# Altium PCB senocore_pcb_long.PcbDoc (part 2 of 2)
Units mm, origin at the board's own origin, x right, y up, seen from the top; angles counter-clockwise.
Board outline 68.21 x 46.01 mm, 4 copper layers (Top Layer, gnd, sig, Bottom Layer), stack 0.778 mm thick; 91 components, 74 nets, 361 pads, 139 vias.
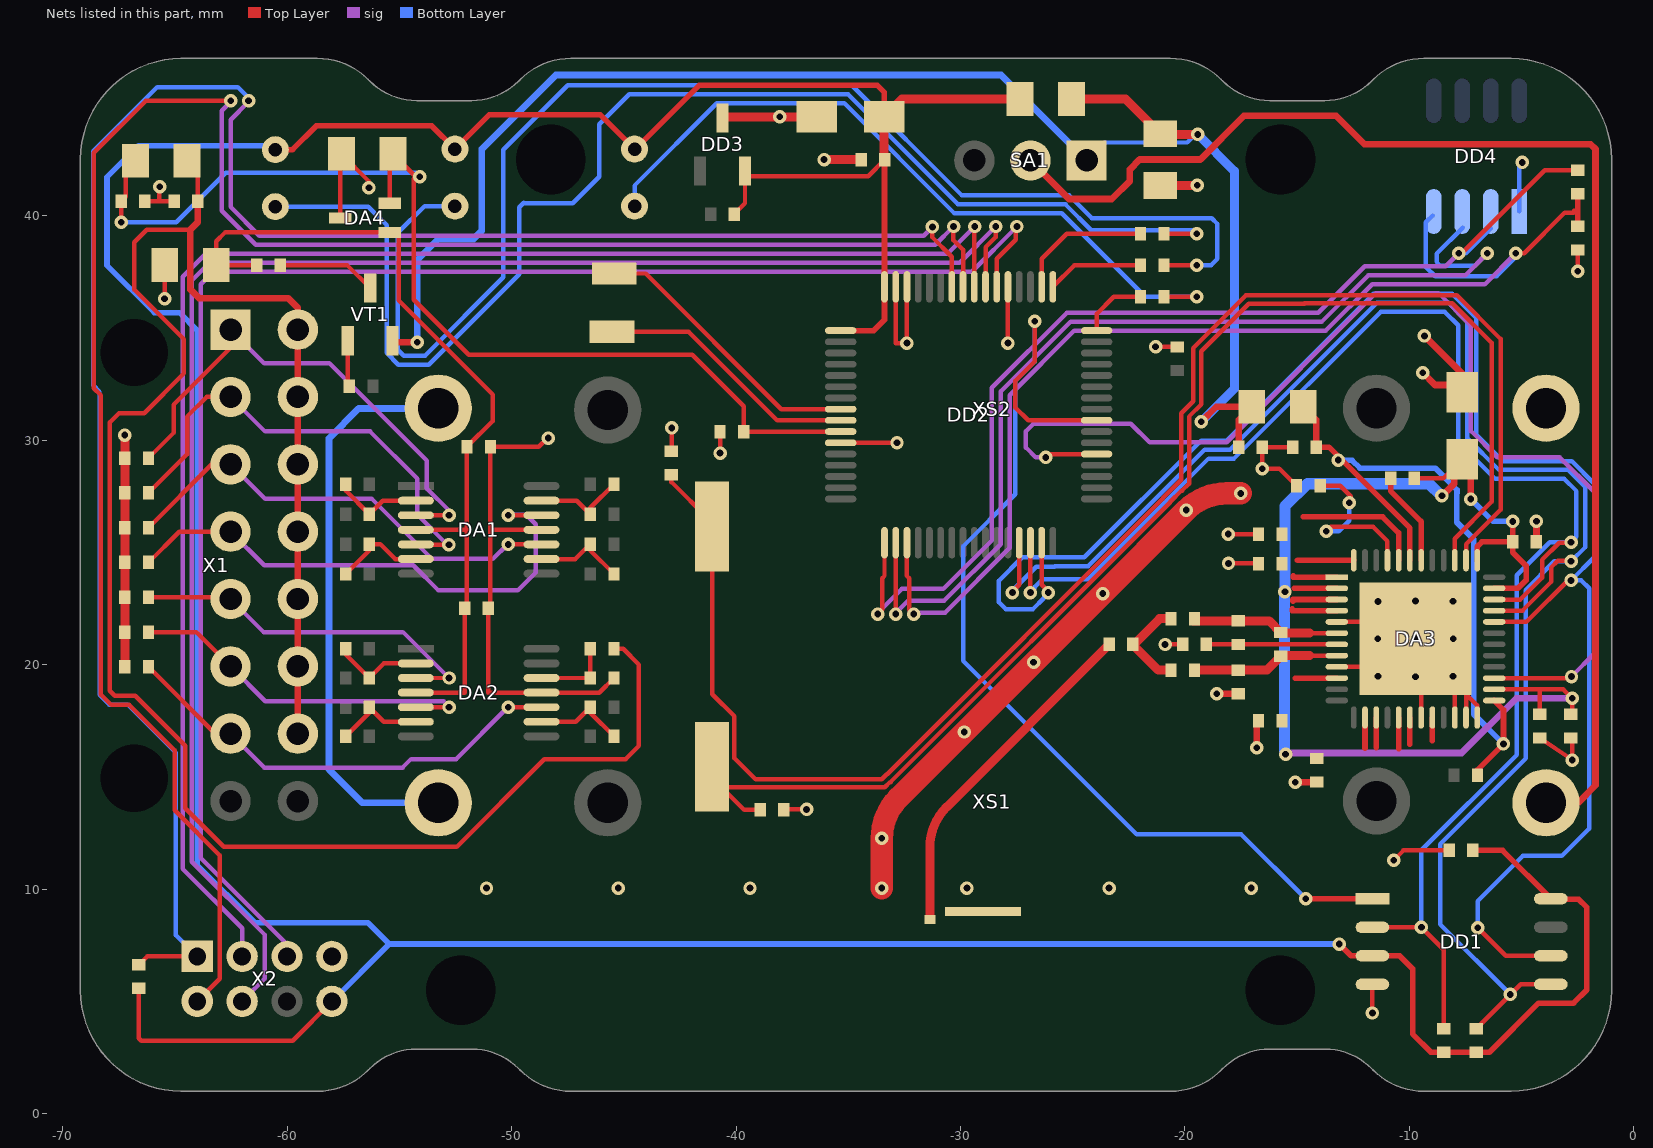
[diagram p4: the nets of this part, all layers, seen from the top]

## Via types
v1: diameter 0.6, hole 0.3, Top Layer to Bottom Layer, tented both sides, 139 vias

## Nets (pads, with @x,y where several pads share a name; then routed paths per layer and width w, separated by ;. In a path a pad name is that pad's centre, name@x,y a point inside that pad or via, vN(x,y) a via of type N, cw(c..) or ccw(c..) an arc to the next point about the centre after c; other vN are vias at no path point) (continued)
GND: ANT1.2 C1.2 C2.2 C3.2 C4.2 C6.2 C8.2 C9.2 C10.2 C11.2 C12.2 C13.2 C14.2 C15.2 C16.2 C17.2 C18.2 C19.2 C20.2 C21.2 C22.1 C23.2 C24.2 C25.2 C26.2 C27.2 C28.2 DA1.11 DA2.11 DA3.5 DA3.9 DA3.19 DA3.22 DA3.23 DA3.24 DA3.49 DA4.3 DD1.4 DD2.11 DD2.53 DD2.62 DD2.63 DD3.3 DD4.1 R5.2 R6.2 R11.2 R12.2 R13.2 R14.2 R15.2 R23.2 R24.1 R26.2 X2.7 XS2.2 | length 134.2
  Top Layer w0.2: C3.2@-66.335,40.645 -65.684,40.645 ; v1@-65.684,41.296 -65.684,40.645 ; v1(-65.457,36.304) -65.448,36.313 C21.2@-65.448,37.8 ; C4.2@-64.98,40.627 -64.998,40.645 C4.2@-65.025,40.645 -65.684,40.645 ; DA4.3@-57.631,39.9 -57.631,42.698 C23.2@-57.579,42.75 -56.352,41.524 v1(-56.352,41.241) ; DA1.11@-48.663,26.004 -50.91,26.004 -50.938,26.032 ; v1@-48.37,30.12 -48.787,29.704 C1.2@-50.938,29.704 -50.938,26.032 ; R23.2@-45.438,19.404 -46.088,18.754 DA2.11@-48.663,18.754 -51.038,18.754 C2.2@-51.038,22.504 -50.938,22.604 -50.938,26.032 ; C19.2@-42.856,29.587 v1(-42.856,30.544) ; v1(-40.708,29.422) C25.2@-40.708,30.378 ; C20.2@-37.815,13.549 v1(-36.858,13.549) ; DD2.11@-35.335,29.88 v1(-32.828,29.88) ; DD2.63@-32.885,36.83 -32.885,34.323 v1(-32.385,34.323) DD2.62@-32.385,36.83 ; v1(-27.885,34.323) DD2.53@-27.885,36.83 ; v1(-21.31,34.154) R26.2@-20.353,34.154 ; v1(-20.888,20.897) -20.884,20.9 C11.2@-20.1,20.9 ; v1(-18.066,25.813) C16.2@-16.737,25.813 ; v1(-18.061,24.507) -16.732,24.507 C6.2@-16.725,24.5 ; C18.2@-15.202,29.686 C17.2@-16.552,29.686 v1(-16.552,28.729) -15.792,28.729 R24.1@-15.028,27.965 ; DA3.9@-13.235,19.9 -10.98,19.9 v1(-9.73,21.15) ; DA3.5@-13.235,21.9 -10.48,21.9 v1(-9.73,21.15) ; v1(-11.65,4.48) DD1.4@-11.65,5.76 ; v1(-10.7,11.291) -10.268,11.723 C22.1@-8.23,11.723 ; DA3.19@-9.48,17.645 DA3.49@-9.48,20.9 ; DA3.22@-7.98,17.645 DA3.49@-7.98,19.4 ; DA3.23@-7.48,17.645 DA3.49@-7.48,18.679 ; DA3.24@-6.98,17.645 -6.98,18.179 DA3.49@-7.48,18.679 ; C12.2@-4.197,16.734 v1@-2.75,15.759 ; C13.2@-2.831,16.769 -2.75,16.688 v1@-2.75,15.759 ; v1(-2.75,15.75) v1(-2.75,15.75) ; v1@-2.74,15.752 -2.746,15.756 v1@-2.75,15.759 ; v1(-2.5,37.518) C24.2@-2.5,38.475 ; v1(-9.73,21.15) DA3.49@-9.48,20.9 ; DA3.49@-9.48,20.9 DA3.49@-7.98,19.4 ; DA3.49@-7.98,19.4 -7.48,18.9 DA3.49@-7.48,18.679
  Top Layer w0.3: v1(-18.579,18.7) C9.2@-17.625,18.7 ; v1(-16.8,16.3) -16.8,17.425 C8.2@-16.725,17.5 ; v1(-15.087,14.756) -14.133,14.756 C15.2@-14.122,14.766 ; v1(-9.406,33.007) -8.858,32.459 -7.138,32.459 -9.322,34.642 v1(-9.333,34.642) ; v1@-4.356,26.297 v1@-4.343,26.309 ; C10.2@-4.352,25.466 -4.343,25.474 v1@-4.343,26.309 ; v1(-4.343,26.391) v1@-4.343,26.309
  Top Layer w0.4: R5.2@-67.225,19.9 R6.2@-67.225,21.45 R11.2@-67.225,23 R12.2@-67.225,24.55 R13.2@-67.225,26.1 R14.2@-67.225,27.65 R15.2@-67.225,29.2 v1(-67.225,30.224) ; DD3.3@-40.6,44.346 -40.546,44.4 v1(-38.052,44.4) C26.2@-36.4,44.4 ; v1(-36.077,42.5) C28.2@-34.425,42.5 ; C27.2@-21.1,41.352 v1(-19.448,41.352)
  Top Layer w0.5: XS2.2@-4.094,31.6 XS2.2@-3.917,31.423 XS2.2@-3.917,32.176
  Top Layer w1: v1(-33.507,10.047) v1(-33.507,12.267) cw(c-30.967,12.267) -32.763,14.063 v1(-29.827,16.999) v1(-23.66,23.167) v1(-19.943,26.883) cw(c-18.147,25.087) -18.147,27.627 v1(-17.519,27.627)
  Bottom Layer w0.2: DD4.1@-5.11,40.187 -5.11,42.239 v1(-4.977,42.372)
  other v1: -51.115,10.047 -45.246,10.047 -39.376,10.047 -29.711,10.047 -23.381,10.047 -17.052,10.047 -9.73,19.465 -11.397,19.476 -8.057,19.484 -26.743,20.11 -11.415,21.15 -8.045,21.15 -11.404,22.816 -9.73,22.835 -8.064,22.823 -48.368,30.09 -65.67,41.29
LED_BLUE: DD2.50 R37.2 | length 6.1
  Top Layer w0.2: DD2.50@-26.385,36.83 -26.385,38.077 -25.271,39.191 R37.2@-21.979,39.191
LED_GREEN: DD2.49 R36.2 | length 4.3
  Top Layer w0.2: DD2.49@-25.885,36.83 -24.924,37.791 R36.2@-21.979,37.791
LED_RED: DD2.48 R35.2 | length 3
  Top Layer w0.2: DD2.48@-23.935,34.88 -23.935,35.622 -23.167,36.39 R35.2@-21.979,36.39
NetANT1_1: ANT1.1 C5.1 | length 15.5
  Top Layer w0.4: ANT1.1@-31.362,8.644 -31.362,11.861 cw(c-28.822,11.861) -30.618,13.657 C5.1@-23.375,20.9
NetC5_2: C5.2 C7.1 L2.1 | length 4.4
  Top Layer w0.4: C5.2@-22.343,20.907 C5.2@-22.308,20.872 ; C5.2@-22.313,20.867 C5.2@-22.308,20.872 ; L2.1@-20.625,19.75 -21.187,19.75 C5.2@-22.308,20.872 ; C7.1@-20.625,22.05 -21.13,22.05 C5.2@-22.308,20.872
NetC7_2: C7.2 DA3.6 L3.2 L4.2 | length 6.6
  Top Layer w0.2: -14.453,21.4 DA3.6@-13.235,21.4
  Top Layer w0.4: C7.2@-19.627,21.952 -19.625,21.95 L3.2@-17.625,21.95 -16.25,21.95 L4.2@-15.725,21.425 -15.7,21.4 -14.453,21.4
NetC9_1: C9.1 DA3.8 L2.2 L4.1 | length 6.6
  Top Layer w0.2: -14.453,20.4 DA3.8@-13.235,20.4
  Top Layer w0.4: L2.2@-19.592,19.736 -19.578,19.75 C9.1@-17.625,19.75 -16.35,19.75 L4.1@-15.725,20.375 ; L4.1@-15.7,20.4 -14.453,20.4
NetC11_1: C11.1 DA3.7 L3.1 | length 5.8
  Top Layer w0.2: C11.1@-19.05,20.9 L3.1@-17.625,20.9 DA3.7@-13.235,20.9
NetC19_1: C19.1 DA3.38 ZQ1.2 | length 71
  Top Layer w0.2: C19.1@-42.876,28.456 -42.876,28.134 ZQ1.2@-41.216,26.474 ; ZQ1.2@-41.054,25.903 -41.054,18.682 -40.069,17.697 -40.069,15.833 -39.128,14.891 -33.513,14.891 -33.284,15.12 -33.262,15.12 -20.999,27.382 -20.999,27.405 -20.169,28.235 -20.169,31.197 -19.63,31.736 -19.63,34.102 -17.282,36.45 -7.885,36.45 -5.942,34.506 -5.942,26.898 -7.48,25.36 DA3.38@-7.48,24.65
NetC20_1: C20.1 DA3.39 ZQ1.1 | length 60.4
  Top Layer w0.2: ZQ1.1@-41.316,14.691 -41.167,14.541 ZQ1.1@-40.644,14.541 ; C20.1@-38.924,13.537 -39.64,13.537 ZQ1.1@-40.644,14.541 ; -14.697,36.096 -14.693,36.092 -8.093,36.092 -6.342,34.341 -6.342,27.252 -7.98,25.613 DA3.39@-7.98,24.65 ; -14.675,36.074 -17.163,36.074 -19.28,33.957 -19.28,31.591 -19.819,31.052 -19.819,28.063 -20.129,27.753 -20.156,27.753 -20.649,27.26 -20.649,27.237 -33.117,14.77 -33.139,14.77 -33.368,14.541 ZQ1.1@-40.644,14.541
NetDA1_2: DA1.2 R1.1 R7.2 | length 4.1
  Top Layer w0.2: R7.2@-57.388,28.037 -57.388,27.754 R1.1@-56.338,26.704 -55.738,27.304 DA1.2@-54.263,27.304
NetDA1_6: DA1.6 R2.1 R8.2 | length 4.1
  Top Layer w0.2: R8.2@-57.388,24.037 -56.338,25.087 R2.1@-56.338,25.371 -55.847,25.371 -55.18,24.704 DA1.6@-54.263,24.704
NetDA1_9: DA1.9 R17.1 R20.2 | length 4.2
  Top Layer w0.2: DA1.9@-48.663,24.704 -47.155,24.704 R20.2@-46.488,25.371 -46.488,25.087 R17.1@-45.438,24.037
NetDA1_13: DA1.13 R16.1 R19.2 | length 4.2
  Top Layer w0.2: DA1.13@-48.663,27.304 -47.088,27.304 R19.2@-46.488,26.704 -46.488,26.987 R16.1@-45.438,28.037
NetDA2_2: DA2.2 R3.1 R9.2 | length 4.1
  Top Layer w0.2: R9.2@-57.388,20.704 -57.388,20.454 R3.1@-56.338,19.404 -55.688,20.054 DA2.2@-54.263,20.054
NetDA2_6: DA2.6 R4.1 R10.2 | length 4.1
  Top Layer w0.2: R10.2@-57.388,16.804 -56.338,17.854 R4.1@-56.338,18.104 -55.688,17.454 DA2.6@-54.263,17.454
NetDA2_9: DA2.9 R18.1 R21.2 | length 4.2
  Top Layer w0.2: DA2.9@-48.663,17.454 -47.138,17.454 R21.2@-46.488,18.104 -46.488,17.854 R18.1@-45.438,16.804
NetDA2_12: DA2.12 R22.2 R23.1 | length 3.5
  Top Layer w0.2: DA2.12@-48.663,19.404 R23.1@-46.488,19.404 R22.2@-46.488,20.704
NetDA3_42: DA3.42 R25.2 | length 4.2
  Top Layer w0.25: R25.2@-10.837,28.296 -10.837,27.734 -9.48,26.376 DA3.42@-9.48,24.65
NetDA3_45: DA3.45 R24.2 | length 7.9
  Top Layer w0.2: R24.2@-13.978,27.965 -13.079,27.965 -12.621,27.507 -12.621,27.156 v1(-12.678,27.213) ; v1(-13.707,25.936) -13.501,26.142 -11.621,26.142 -10.98,25.501 DA3.45@-10.98,24.65
  Bottom Layer w0.2: v1(-13.707,25.936) -13.155,25.936 -12.678,26.413 v1(-12.678,27.213)
NetDD2_8: DD2.8 ZQ2.1 | length 12.6
  Top Layer w0.2: ZQ2.1@-45.425,37.423 -44.027,37.423 -37.984,31.38 DD2.8@-35.335,31.38
NetDD2_9: DD2.9 ZQ2.2 | length 11.8
  Top Layer w0.2: ZQ2.2@-45.525,34.823 -42.113,34.823 -38.17,30.88 DD2.9@-35.335,30.88
NetDD2_54: DD2.54 X2.5 | length 72
  Top Layer w0.2: DD2.54@-28.385,36.83 -28.385,38.079 -27.537,38.927 v1@-27.537,39.551
  sig w0.2: X2.5@-60,7 -60,7.541 -63.848,11.388 -63.848,36.945 -63.286,37.507 -29.494,37.507 v1(-27.485,39.516)
NetDD2_55: DD2.55 X2.4 | length 73.6
  Top Layer w0.2: DD2.55@-28.885,36.83 -28.885,38.594 -28.438,39.041 v1@-28.438,39.517
  sig w0.2: X2.4@-62,5 -61,6 -61,7.975 -64.248,11.223 -64.248,37.111 -63.452,37.907 -30.036,37.907 v1(-28.426,39.516)
NetDD2_56: DD2.56 X2.3 | length 70.3
  Top Layer w0.2: DD2.56@-29.385,36.83 -29.385,39.486 v1@-29.374,39.497
  sig w0.2: X2.3@-62,7 -62,8.25 -64.648,10.898 -64.648,37.277 -63.618,38.307 -30.577,38.307 v1(-29.368,39.516)
NetDD2_57: DD2.57 X2.2 | length 89.6
  Top Layer w0.2: X2.2@-64,5 -63,6 -63,11.5 -65.007,13.507 -65.007,16.176 -67.039,18.207 -67.842,18.207 -68.3,18.666 -68.3,32.01 -68.607,32.317 -68.607,42.799 -66.283,45.123 v1(-62.513,45.123) ; v1@-30.315,39.517 -30.315,38.908 -29.885,38.478 DD2.57@-29.885,36.83
  sig w0.2: v1(-62.513,45.123) -62.513,45.074 -62.913,44.674 -62.913,40.222 -61.398,38.707 -31.119,38.707 v1(-30.309,39.516)
NetDD2_58: DD2.58 R29.1 X2.1 | length 89.5
  Top Layer w0.2: R29.1@-66.599,6.63 -66.229,7 X2.1@-64,7 ; v1@-31.266,39.512 -31.266,39.046 -30.385,38.166 DD2.58@-30.385,36.83
  sig w0.2: v1(-61.713,45.123) -61.713,45.074 -62.513,44.274 -62.513,40.387 -61.232,39.107 -31.641,39.107 v1(-31.251,39.497)
  Bottom Layer w0.2: X2.1@-64,7 -64.95,7.95 -64.95,16.07 -67.103,18.223 -67.929,18.223 -68.354,18.648 -68.354,32.164 -68.629,32.44 -68.629,42.877 -65.776,45.73 -62.197,45.73 -61.713,45.246 v1(-61.713,45.123)
NetHL1_2: HL1.2 R35.1 | length 32.5
  Top Layer w0.2: R35.1@-20.929,36.39 v1(-19.479,36.39)
  Bottom Layer w0.2: HL1.2@-44.519,40.425 -44.519,41.339 -40.859,45 -35.169,45 -30.285,40.116 -30.061,40.116 -30.045,40.1 -29.633,40.1 -29.616,40.116 -29.119,40.116 -29.103,40.1 -28.691,40.1 -28.675,40.116 -28.178,40.116 -28.162,40.1 -27.75,40.1 -27.734,40.116 -27.237,40.116 -27.22,40.1 -25.485,40.1 -21.775,36.39 v1(-19.479,36.39)
NetHL2_2: HL2.2 R36.1 | length 59.8
  Top Layer w0.2: R36.1@-20.929,37.791 v1(-19.479,37.791)
  Bottom Layer w0.2: HL2.2@-52.519,40.425 -53.875,40.425 -55.067,39.233 -55.067,34.027 -54.803,33.763 -53.852,33.763 -50.366,37.249 -50.366,42.933 -47.493,45.806 -34.844,45.806 -29.954,40.916 -26.905,40.916 -26.889,40.9 -25.154,40.9 -24.142,39.889 -18.81,39.889 -18.552,39.631 -18.552,38.077 -18.838,37.791 v1(-19.479,37.791)
NetHL3_2: HL3.2 R37.1 | length 59.4
  Top Layer w0.2: R37.1@-20.929,39.191 v1(-19.479,39.191) v1@-19.469,39.201
  Bottom Layer w0.2: HL3.2@-60.519,40.401 -56.382,40.401 -55.563,39.583 -55.563,33.886 -55.04,33.363 -53.687,33.363 -49.659,37.391 -49.659,40.369 -49.457,40.571 ; -49.415,40.555 -47.269,40.555 -46.089,41.734 -46.089,44.071 -44.753,45.406 -35.01,45.406 -30.12,40.516 -29.895,40.516 -29.879,40.5 -29.798,40.5 -29.782,40.516 -28.954,40.516 -28.937,40.5 -28.857,40.5 -28.841,40.516 -28.012,40.516 -27.996,40.5 -27.916,40.5 -27.899,40.516 -27.071,40.516 -27.055,40.5 -25.319,40.5 -24.168,39.349 -19.638,39.349 v1(-19.479,39.191)
NetR28_2: R28.2 VT1.1 | length 2.1
  Top Layer w0.2: VT1.1@-57.301,34.425 -57.301,32.476 R28.2@-57.225,32.4
NetR30_1: R30.1 VT1.3 | length 4.4
  Top Layer w0.2: R30.1@-60.3,37.8 -57.325,37.8 VT1.3@-56.3,36.775
NetSA1_2: SA1.2 XS1.1 | length 59.2
  Top Layer w0.3: SA1.2@-26.885,42.458 -25.169,40.743 -23.262,40.743 -22.457,41.548 -22.457,42.061 -22.018,42.5 -19.317,42.5 -17.367,44.45 -13.27,44.45 -12,43.18 -1.932,43.18 -1.717,42.965 -1.717,14.625 -2.5,13.842 XS1.1@-3.917,13.842
NetXS1_2: XS1.2 XS2.1 | length 25.5
  Bottom Layer w0.3: XS2.1@-53.422,31.406 -56.809,31.406 -58.134,30.081 -58.134,15.333 -56.642,13.842 XS1.2@-53.267,13.842
RADIO-AVDD: C6.1 C8.1 C10.1 C12.1 C13.1 C14.1 C15.1 C16.1 DA3.1 DA3.2 DA3.3 DA3.4 DA3.10 DA3.14 DA3.15 DA3.17 DA3.18 DA3.20 DA3.26 DA3.35 DA3.37 DA3.44 DA3.48 R25.1 | length 77.1
  Top Layer w0.2: R25.1@-9.787,28.296 -8.485,28.296 -8.001,28.779 C14.1@-7.641,29.14 C14.1@-7.275,28.774 ; v1@-7.275,27.381 v1(-7.268,27.374) ; DA3.26@-6.225,18.9 -3.158,18.9 -3.137,18.88 ; C12.1@-4.197,17.784 -4.197,18.829 -4.192,18.834 ; -3.137,18.887 v1(-2.75,18.5) C13.1@-2.75,17.75
  Top Layer w0.25: -15.225,22.479 -15.225,22.4 DA3.4@-13.235,22.4 ; -15.189,22.835 -15.189,22.9 DA3.3@-13.235,22.9 ; -15.171,23.946 -15.171,23.9 DA3.1@-13.235,23.9 ; -15.138,23.4 DA3.2@-13.235,23.4 ; -15.088,19.4 DA3.10@-13.235,19.4 ; -14.986,24.65 DA3.48@-12.48,24.65 ; -14.732,26.582 -11.194,26.582 -10.48,25.868 DA3.44@-10.48,24.65 ; -11.98,16.281 DA3.14@-11.98,17.645 ; -11.48,16.307 DA3.15@-11.48,17.645 ; -10.48,16.256 DA3.17@-10.48,17.645 ; -9.98,16.459 DA3.18@-9.98,17.645 ; -8.98,16.6 DA3.20@-8.98,17.645 ; DA3.37@-6.98,24.65 -6.98,25.259 -6.773,25.466 C10.1@-5.402,25.466 ; DA3.35@-6.225,23.4 -5.164,23.4 -4.798,23.766 -4.798,24.401 -5.402,25.004 C10.1@-5.402,25.466 ; v1(-5.403,26.379) v1(-5.403,26.379) C10.1@-5.402,25.466
  Top Layer w0.3: v1(-8.554,27.518) -8.001,28.071 C14.1@-8.001,28.779 ; v1@-7.275,27.381 C14.1@-7.275,28.774
  sig w0.3: v1@-15.547,16.063 -7.673,16.063 -5.236,18.5 v1(-2.75,18.5)
  Bottom Layer w0.25: v1(-7.268,27.374) -6.274,26.379 v1(-5.403,26.379)
  Bottom Layer w0.5: v1@-15.57,16.179 -15.57,23.218 v1(-15.548,23.24) -15.548,27.058 -14.547,28.058 -9.128,28.058 v1@-8.578,27.508
  other v1: -15.519,16.002
RADIO-VDD: C18.1 DA3.25 DA3.43 L5.2 R27.2 | length 31.2
  Top Layer w0.25: C18.1@-14.152,29.686 -13.586,29.686 -9.98,26.08 DA3.43@-9.98,24.65 ; R27.2@-6.968,15.074 -6.968,15.31 v1(-5.812,16.466) -5.812,17.987 DA3.25@-6.225,18.4
  Top Layer w0.3: L5.2@-14.73,31.486 -14.152,30.909 C18.1@-14.152,29.686
  Bottom Layer w0.25: v1@-13.209,29.1 -12.555,29.1 -12.206,28.75 -8.85,28.75 -7.883,27.784 -7.883,27.643 -7.893,27.633 -7.893,26.344 -7.136,25.587 -7.136,17.79 v1(-5.812,16.466)
  other v1: -13.172,29.11
S#: DD1.1 DD2.40 | length 47.2
  Top Layer w0.2: v1(-26.691,35.292) -26.691,33.503 -27.559,32.635 -27.559,31.451 -26.988,30.88 DD2.40@-23.935,30.88
  Top Layer w0.25: v1@-14.637,9.558 v1(-14.625,9.57) DD1.1@-11.65,9.57
  Bottom Layer w0.2: v1(-26.691,35.292) -26.692,35.291 -26.692,33.502 -27.559,32.635 -27.559,27.59 -29.885,25.264 -29.885,20.169 -22.153,12.436 -17.491,12.436 v1(-14.625,9.57)
SCLK: DA3.32 DD1.6 DD2.31 | length 76.1
  Top Layer w0.2: DD2.31@-26.385,25.43 -26.385,23.558 -26.085,23.258 v1(-26.085,23.21) ; v1(-6.96,8.28) -5.71,7.03 DD1.6@-3.7,7.03 ; DA3.32@-6.225,21.9 -4.794,21.9 -2.863,23.83 v1@-2.819,23.83
  Bottom Layer w0.2: v1@-26.111,23.152 -26.285,22.978 -26.285,22.961 -26.77,22.476 -27.977,22.476 -28.285,22.784 -28.285,23.738 -27.246,24.778 -24.484,24.778 -19.28,29.981 -18.147,29.981 -11.617,36.512 -8.088,36.512 -7.021,35.445 -7.021,30.248 -5.844,29.07 -2.769,29.07 -1.761,28.063 -1.761,24.789 v1(-2.8,23.75) -2.341,23.75 -1.996,23.404 -1.996,12.698 -3.216,11.478 -4.95,11.478 -6.96,9.468 v1(-6.96,8.28)
SFD: DA3.27 DD2.37 | length 51.2
  Top Layer w0.2: v1(-26.199,29.23) -26.049,29.38 DD2.37@-23.935,29.38 ; DA3.27@-6.225,19.4 -2.993,19.4 v1@-2.862,19.531
  sig w0.2: v1(-26.199,29.23) -26.645,29.23 -27.085,29.67 -27.085,30.402 -26.751,30.736 -22.41,30.736 -21.577,29.903 -18.144,29.903 -11.496,36.55 -8.71,36.55 -7.259,35.1 -7.259,30.406 -6.083,29.23 -3.301,29.23 -1.746,27.675 -1.746,20.504 v1(-2.781,19.468)
SH_DTA: DD2.17 DD4.2 R34.2 | length 48.5
  Top Layer w0.2: v1(-33.685,22.252) -33.485,22.452 -33.485,23.848 -33.385,23.948 DD2.17@-33.385,25.43 ; v1@-7.721,38.372 -7.624,38.372 -3.971,42.025 R34.2@-2.5,42.025
  sig w0.2: v1(-33.685,22.252) -33.685,22.301 -32.616,23.37 -30.766,23.37 -28.604,25.532 -28.604,32.336 -25.259,35.681 -14.063,35.681 -11.994,37.75 -8.377,37.75 v1(-7.8,38.327)
  Bottom Layer w0.2: v1(-7.8,38.327) -7.485,38.327 DD4.2@-6.371,39.44
SH_SCL: DD2.18 DD4.3 | length 44.8
  Top Layer w0.2: v1(-32.885,22.252) DD2.18@-32.885,25.43
  sig w0.2: v1(-32.885,22.252) -32.885,22.301 -32.334,22.852 -30.718,22.852 -28.204,25.366 -28.204,32.17 -25.093,35.281 -13.897,35.281 -11.828,37.35 -7.507,37.35 v1(-6.53,38.327)
  Bottom Layer w0.2: DD4.3@-7.632,39.467 -8.794,38.305 -8.794,37.939 -8.615,37.76 -7.095,37.76 v1(-6.53,38.327) v1(-6.53,38.327)
SH_VDD: C24.1 DD2.19 DD4.4 R34.1 | length 52.9
  Top Layer w0.2: DD2.19@-32.385,25.43 -32.385,23.948 -32.285,23.848 -32.285,22.452 v1(-32.085,22.252) ; v1(-5.26,38.327) -4.893,38.327 -3.082,40.138 -2.671,40.138
  Top Layer w0.25: -2.652,40.187 ccw(c-2.652,40.402) -2.5,40.25 ; C24.1@-2.5,39.525 -2.5,40.25 ; R34.1@-2.5,40.975 -2.5,40.25
  sig w0.2: v1(-32.085,22.252) -32.017,22.321 -30.684,22.321 -27.804,25.201 -27.804,32.004 -24.927,34.881 -13.731,34.881 -11.662,36.95 -6.637,36.95 v1(-5.26,38.327)
  Bottom Layer w0.2: DD4.4@-8.964,40.004 -9.268,39.7 -9.268,37.715 -8.847,37.295 -6.121,37.295 -5.26,38.156 v1(-5.26,38.327)
SI: DA3.33 DD1.5 DD2.29 R33.2 | length 75.5
  Top Layer w0.2: v1(-27.685,23.21) -27.685,23.258 -27.385,23.558 DD2.29@-27.385,25.43 ; R33.2@-7.028,3.78 -5.048,5.76 DD1.5@-3.7,5.76 ; DA3.33@-6.225,22.4 -6.215,22.41 -4.964,22.41 -3.693,23.681 -3.693,24.326 -3.392,24.626 v1@-2.819,24.626
  Bottom Layer w0.2: v1@-27.713,23.268 -26.623,24.358 -25.809,24.358 -25.79,24.378 -24.318,24.378 -19.114,29.581 -17.982,29.581 -11.451,36.112 -8.254,36.112 -7.421,35.279 -7.421,30.082 -6.009,28.67 -2.935,28.67 -2.161,27.897 -2.161,25.239 v1(-2.8,24.6) -3.545,24.6 -4.823,23.322 -4.823,16.915 -4.812,16.903 -4.812,15.822 -8.637,11.997 -8.637,8.436 v1(-5.512,5.31)
SO: DA3.34 DD1.2 DD2.30 R31.2 | length 73
  Top Layer w0.2: v1(-26.885,23.21) DD2.30@-26.885,25.43 ; DD1.2@-11.65,8.3 v1(-9.468,8.3) -8.472,7.304 R31.2@-8.472,3.78 ; DA3.34@-6.225,22.9 -5.063,22.9 -4.093,23.87 -4.093,24.669 -3.329,25.433 v1@-2.872,25.433
  Bottom Layer w0.2: v1@-26.931,23.171 -26.685,23.418 -26.685,23.458 -26.334,23.81 -24.32,23.81 -18.948,29.181 -17.816,29.181 -11.286,35.712 -8.422,35.712 -7.821,35.112 -7.821,29.917 -6.175,28.27 -3.1,28.27 -2.561,27.731 -2.561,25.689 v1(-2.8,25.45) -3.75,25.45 -5.223,23.976 -5.223,16.738 -5.212,16.726 -5.212,15.988 -9.468,11.732 v1(-9.468,8.3)
SW-VCC: C1.1 C2.1 C21.1 DA1.4 DA2.4 DA4.1 R30.2 | length 38.2
  Top Layer w0.2: R30.2@-61.35,37.8 C21.1@-63.152,37.8 -63.152,38.859 -62.761,39.25 DA4.1@-55.431,39.25 -55.181,39.25 -55.031,39.1 -55.031,36.23 -50.825,32.024 ; DA2.4@-54.263,18.754 -52.088,18.754 C2.1@-52.088,22.504 -51.988,22.604 -51.988,26.004 ; DA1.4@-54.263,26.004 -51.988,26.004 ; -50.844,31.976 -50.844,30.847 C1.1@-51.988,29.704 -51.988,26.004
TEMP-1: DA1.3 R15.1 X1.1 | length 22.8
  Top Layer w0.2: R15.1@-66.175,29.2 -65.057,30.318 -65.057,31.571 -62.517,34.111 X1.1@-62.517,34.923 ; DA1.3@-54.263,26.654 v1(-52.78,26.654)
  sig w0.2: X1.1@-62.517,34.923 -61.025,33.431 -58.11,33.431 -53.767,29.088 -53.767,27.84 -52.788,26.862 v1@-52.788,26.59
TEMP-2: DA1.5 R14.1 X1.2 | length 21.2
  Top Layer w0.2: R14.1@-66.175,27.65 -64.453,29.372 -64.453,31.051 -63.58,31.923 X1.2@-62.517,31.923 ; DA1.5@-54.271,25.346 v1(-52.789,25.346)
  sig w0.2: X1.2@-62.517,31.923 -60.981,30.387 -56.303,30.387 -54.192,28.275 -54.192,26.671 v1@-52.893,25.373
TEMP-3: DA1.10 R13.1 X1.3 | length 20.6
  Top Layer w0.2: R13.1@-66.175,26.1 -63.352,28.923 X1.3@-62.517,28.923 ; v1(-50.145,25.354) DA1.10@-48.663,25.354
  sig w0.2: X1.3@-62.517,28.923 -60.972,27.378 -56.217,27.378 -53.544,24.705 -50.838,24.705 v1@-50.197,25.347
TEMP-4: DA1.12 R12.1 X1.4 | length 24.3
  Top Layer w0.2: R12.1@-66.175,24.55 -64.802,25.923 X1.4@-62.517,25.923 ; v1(-50.145,26.654) DA1.12@-48.663,26.654
  sig w0.2: X1.4@-62.517,25.923 -61.017,24.423 -54.372,24.423 -53.253,23.305 -49.726,23.305 -48.927,24.103 -48.927,26.25 -49.346,26.668 v1@-50.184,26.668
TEMP-5: DA2.3 R11.1 X1.5 | length 16.4
  Top Layer w0.2: R11.1@-66.175,23 -62.594,23 X1.5@-62.517,22.923 ; DA2.3@-54.263,19.404 v1(-52.781,19.404)
  sig w0.2: X1.5@-62.517,22.923 -61.045,21.451 -54.835,21.451 v1@-52.74,19.356
TEMP-6: DA2.5 R6.1 X1.6 | length 16.4
  Top Layer w0.2: R6.1@-66.175,21.45 -64.044,21.45 X1.6@-62.517,19.923 ; DA2.5@-54.263,18.104 v1(-52.781,18.104)
  sig w0.2: X1.6@-62.517,19.923 -60.965,18.371 -53.027,18.371 v1@-52.702,18.047
TEMP-7: DA2.10 R5.1 X1.7 | length 20.5
  Top Layer w0.2: R5.1@-66.175,19.9 -63.198,16.923 X1.7@-62.517,16.923 ; v1(-50.146,18.104) DA2.10@-48.663,18.104
  sig w0.2: X1.7@-62.517,16.923 -61.01,15.416 -54.853,15.416 -54.477,15.792 -52.464,15.792 -50.184,18.072 v1@-50.096,18.072
VBAT: C17.1 C27.1 L5.1 L6.1 SA1.1 VT1.2 | length 72.1
  Top Layer w0.3: VT1.2@-55.299,34.425 -55.2,34.326 -55.164,34.363 v1(-54.198,34.363) ; v1(-19.269,30.824) -18.607,31.486 L5.1@-17.025,31.486 -17.602,30.909 C17.1@-17.602,29.686
  Top Layer w0.4: L6.1@-25.052,45.2 -22.653,45.2 C27.1@-21.1,43.648 -21.07,43.618 v1(-19.431,43.618)
  Bottom Layer w0.2: SA1.1@-24.385,42.458 -23.585,43.258 -19.899,43.258 -19.539,43.618 v1(-19.431,43.618)
  Bottom Layer w0.3: v1(-54.198,34.363) -54.198,38.032 -53.286,38.944 -51.708,38.944 -51.322,39.329 -51.322,42.964 -48.026,46.26 -28.187,46.26 SA1.1@-24.385,42.458
  Bottom Layer w0.4: v1(-19.431,43.618) -17.8,41.986 -17.8,32.293 v1(-19.269,30.824)
VDD: C22.2 C26.1 C28.1 DD1.3 DD1.8 DD2.1 DD2.64 DD3.2 HL1.1 HL2.1 HL3.1 L6.2 R29.2 R31.1 R32.2 R33.1 X2.8 | length 192.3
  Top Layer w0.2: R29.2@-66.599,5.58 -66.599,3.349 -66.5,3.25 -59.75,3.25 X2.8@-58,5 ; R32.2@-40.075,40.071 -39.599,40.547 DD3.2@-39.599,41.996 -39.363,41.76 -34.115,41.76 C28.1@-33.385,42.49
  Top Layer w0.25: HL3.1@-60.519,42.941 -59.759,42.941 -58.7,44 -53.554,44 HL2.1@-52.519,42.965 -50.984,44.5 -46.054,44.5 HL1.1@-44.519,42.965 -44.481,42.965 -41.632,45.814 -33.714,45.814 -33.4,45.5 C26.1@-33.4,44.4 ; DD2.1@-35.335,34.88 -33.866,34.88 -33.385,35.361 DD2.64@-33.385,36.83 -33.385,42.49 C28.1@-33.375,42.5 ; v1(-13.127,7.552) -12.605,7.03 DD1.3@-11.65,7.03 -10.44,7.03 -9.86,6.451 -9.86,3.543 -9.047,2.73 R31.1@-8.472,2.73 R33.1@-7.028,2.73 -6.434,2.73 -4.243,4.921 -2.69,4.921 -2.095,5.516 -2.095,9.183 -2.457,9.545 DD1.8@-3.683,9.545 ; C22.2@-7.18,11.723 -5.852,11.723 DD1.8@-3.7,9.57
  Top Layer w0.4: C28.1@-33.375,42.5 -33.4,42.525 C26.1@-33.4,44.4 -32.6,45.2 L6.2@-27.348,45.2
  Bottom Layer w0.25: HL3.1@-60.519,42.941 -60.696,43.118 -66.619,43.118 -68.018,41.719 -68.018,37.787 -65.909,35.679 -64.79,35.679 -64.008,34.896 -64.008,11.071 -61.437,8.5 -56.396,8.5 -55.448,7.552 ; X2.8@-58,5 -55.448,7.552 ; v1(-13.127,7.552) -55.448,7.552
VREF_2.048: C3.1 C23.1 C25.1 DA4.2 DD2.10 L1.1 | length 48.1
  Top Layer w0.2: v1(-67.385,39.709) C3.1@-67.385,40.645 -67.189,40.841 L1.1@-67.189,42.07 ; DA4.2@-55.431,40.55 -55.431,42.603 C23.1@-55.283,42.75 -54.268,41.734 -54.356,41.646 -54.356,36.26 -51.905,33.81 -41.954,33.81 -39.658,31.513 C25.1@-39.658,30.378 C25.1@-39.658,30.378 DD2.10@-35.335,30.38
  Bottom Layer w0.2: v1(-67.385,39.709) -64.936,39.709 -62.733,41.912 -54.266,41.912 v1(-54.089,41.734)
VREF_2.048_FILT: C4.1 L1.2 R22.1 X1.9 X1.10 X1.11 X1.12 X1.13 X1.14 X1.15 | length 90.9
  Top Layer w0.2: -64.309,39.376 -66.248,39.376 -66.807,38.817 -66.807,36.71 -64.599,34.501 -64.599,32.97 -66.366,31.202 -67.486,31.202 -67.9,30.788 -67.9,18.831 -67.676,18.607 -66.756,18.607 -64.535,16.387 -64.535,13.601 -62.816,11.882 -52.638,11.882 ; L1.2@-63.993,42.07 -63.975,42.052 C4.1@-63.975,40.645 ; X1.15@-59.517,16.317 X1.15@-59.517,16.923 ; -52.698,11.879 -52.442,11.879 -48.539,15.783 -44.92,15.783 -44.323,16.38 -44.323,19.997 -45.029,20.704 R22.1@-45.438,20.704
  Top Layer w0.3: C4.1@-63.975,40.645 -63.975,39.71 -64.309,39.376 -64.309,36.708 -63.925,36.323 -59.949,36.323 -59.517,35.891 X1.10@-59.517,31.923 X1.11@-59.517,28.923 X1.12@-59.517,25.923 X1.13@-59.517,22.923 X1.14@-59.517,19.923 X1.15@-59.517,16.923
pads on no net: DA3.11 DA3.12 DA3.13 DA3.16 DA3.36 DA3.40 DA3.46 DA3.47 DD2.6 DD2.7 DD2.13 DD2.14 DD2.20 DD2.21 DD2.22 DD2.25 DD2.26 DD2.27 DD2.28 DD2.32 DD2.33 DD2.34 DD2.35 DD2.36 DD2.39 DD2.44 DD2.45 DD2.46 DD2.47 DD2.51 DD2.52 DD4.NC SA1.3 X1.0 X1.8 X1.16 X2.6 XS1.0 XS2.0

## Polygon pours and split planes (outlines as drawn)
RADIO-AVDD on Top Layer "Top Layer-No Net" (solid, pour order 18): -15.171,17.373 -13.106,17.373 -13.106,15.926 -15.24,15.926
RADIO-AVDD on Top Layer "Top Layer-No Net" (solid, pour order 14): -14.732,16.6 -8.839,16.6 -8.839,15.596 -16.256,15.596 -16.256,16.612
RADIO-AVDD on Top Layer "Top Layer-No Net" (solid, pour order 12): -16.23,19.533 -16.23,16.104 -14.732,16.104 -14.732,19.533
RADIO-AVDD on Top Layer "Top Layer-No Net" (solid, pour order 10): -14.732,26.892 -14.732,22.276 -16.231,22.276 -16.231,26.892
GND on gnd (split plane): 364 vertices, not listed, extent -68.696,1.503 -1.504,46.497

## Other copper
Top Layer:
  rectangle net GND: -51.719,8.883 -33,11.8
  rectangle net GND: -30.683,8.811 -16.015,11.852
  pour cut-out: -15.339,19.609 -16.195,18.752 -16.51,18.752 -16.51,19.609
  pour cut-out: -16.644,23.272 -15.102,21.999 -16.647,22.006 -16.647,23.268
gnd (plane layer: these items are gaps in the copper):
  rectangle: -51.719,1.475 -15.998,8.883

## Silkscreen, mask and mechanical layers (free items; w line width, h text height)
Top Overlay:
  rectangle: -12.997,36.637 -12.497,40.637
  rectangle: -12.997,40.137 -11.997,40.637
  rectangle: -12.997,38.387 -11.997,38.887
  rectangle: -12.997,36.637 -11.997,37.137
  rectangle: -11.747,36.637 -11.247,40.637
  rectangle: -11.747,40.137 -10.747,40.637
  rectangle: -10.747,36.637 -10.247,40.637
  rectangle: -11.247,38.387 -10.747,38.887
  rectangle: -9.997,36.637 -9.497,40.637
  rectangle: -9.997,40.137 -8.997,40.637
  rectangle: -9.997,36.637 -8.997,37.137
  lines w0.25: -30.981,16.882 cw(c-28.799,15.541) -30.968,14.179
  lines w0.3: -32.263,16.826 cw(c-28.818,15.491) -32.25,14.123 ; -13.497,36.137 -13.497,41.137 -8.497,41.137 -8.497,36.137 -13.497,36.137
  text "NEO" at -35.453,16.994 h1.5
  text "CORE" at -35.245,14.571 h3
  text "neocore.ru" at -35.86,8.957 h3
  text "PN: 1202-1906-2019" at -40.343,1.606 h1.5
Mechanical 1:
  lines w0.25: -69.079,5.5 ccw(c-64.7,5.5) -64.7,1.121 ; -69.079,42.5 cw(c-64.7,42.5) -64.7,46.879 ; -5.5,1.121 ccw(c-5.5,5.5) -1.121,5.5 ; -5.5,46.879 cw(c-5.5,42.5) -1.121,42.5
  lines w0.254: -69.079,5.5 -69.079,42.5 ; -64.7,1.121 -58.649,1.121 ccw(c-58.649,4.187) -56.481,2.019 -56.398,2.102 cw(c-54.23,-0.066) -54.23,3 -53,3 -51.77,3 cw(c-51.77,-0.066) -49.602,2.102 -49.519,2.019 ccw(c-47.351,4.187) -47.351,1.121 -20.649,1.121 ccw(c-20.649,4.187) -18.481,2.019 ; -64.7,46.879 -58.649,46.879 cw(c-58.649,43.813) -56.481,45.981 -56.398,45.898 ccw(c-54.23,48.066) -54.23,45 -53,45 -51.77,45 ccw(c-51.77,48.066) -49.602,45.898 ; -54.254,5.5 -52.254,5.5 ; -52.254,3.5 -52.254,5.5 ; -52.254,7.5 -52.254,5.5 ; -50.254,5.5 -52.254,5.5 ; -50.254,42.5 -48.254,42.5 ; -49.519,45.981 cw(c-47.351,43.813) -47.351,46.879 -20.649,46.879 cw(c-20.649,43.813) -18.481,45.981 -18.398,45.898 ccw(c-16.23,48.066) -16.23,45 -15,45 -13.77,45 ccw(c-13.77,48.066) -11.602,45.898 -11.519,45.981 cw(c-9.351,43.813) -9.351,46.879 -5.5,46.879 ; -48.254,40.5 -48.254,42.5 ; -48.254,44.5 -48.254,42.5 ; -46.254,42.5 -48.254,42.5 ; -18.398,2.102 cw(c-16.23,-0.066) -16.23,3 -15,3 -13.77,3 cw(c-13.77,-0.066) -11.602,2.102 -11.519,2.019 ccw(c-9.351,4.187) -9.351,1.121 -5.5,1.121 ; -17.746,5.5 -15.746,5.5 ; -17.745,42.5 -15.745,42.5 ; -15.746,3.5 -15.746,5.5 ; -15.746,7.5 -15.746,5.5 ; -15.745,40.5 -15.745,42.5 ; -15.745,44.5 -15.745,42.5 ; -13.746,5.5 -15.746,5.5 ; -13.745,42.5 -15.745,42.5 ; -1.121,5.5 -1.121,42.5
Mechanical 29:
  circle w0.25: c-15.746,5.5 r1.448
  circle w0.25: c-52.254,5.5 r1.5
  circle w0.25: c-48.254,42.5 r1.5
  circle w0.25: c-15.746,42.5 r1.5
  lines w0.25: -55.5,-1.055 -55.5,0.982 -50.5,0.982 -50.5,-1.055 -55.5,-1.055 ; -55.5,47.018 -50.5,47.018 -50.5,49.055 -55.5,49.055 -55.5,47.018 ; -17.5,-1.055 -17.5,0.982 -12.5,0.982 -12.5,-1.055 -17.5,-1.055 ; -17.5,47.018 -12.5,47.018 -12.5,49.055 -17.5,49.055 -17.5,47.018
Mechanical 30:
  text "TDO" at -59.043,8.47 h1.5
  text "GND" at -55.629,8.47 h1.5
  text "TMS" at -62.368,8.447 h1.5
  text "RST" at -65.864,8.423 h1.5
  text "TCK" at -64.059,2.794 h1.5
  text "TDI" at -61.239,2.769 h1.5
  text "X" at -59.614,2.769 h1.5
  text "VDD" at -56.036,2.764 h1.5